# KiCad board SenseBarnacle.kicad_pcb (continued)
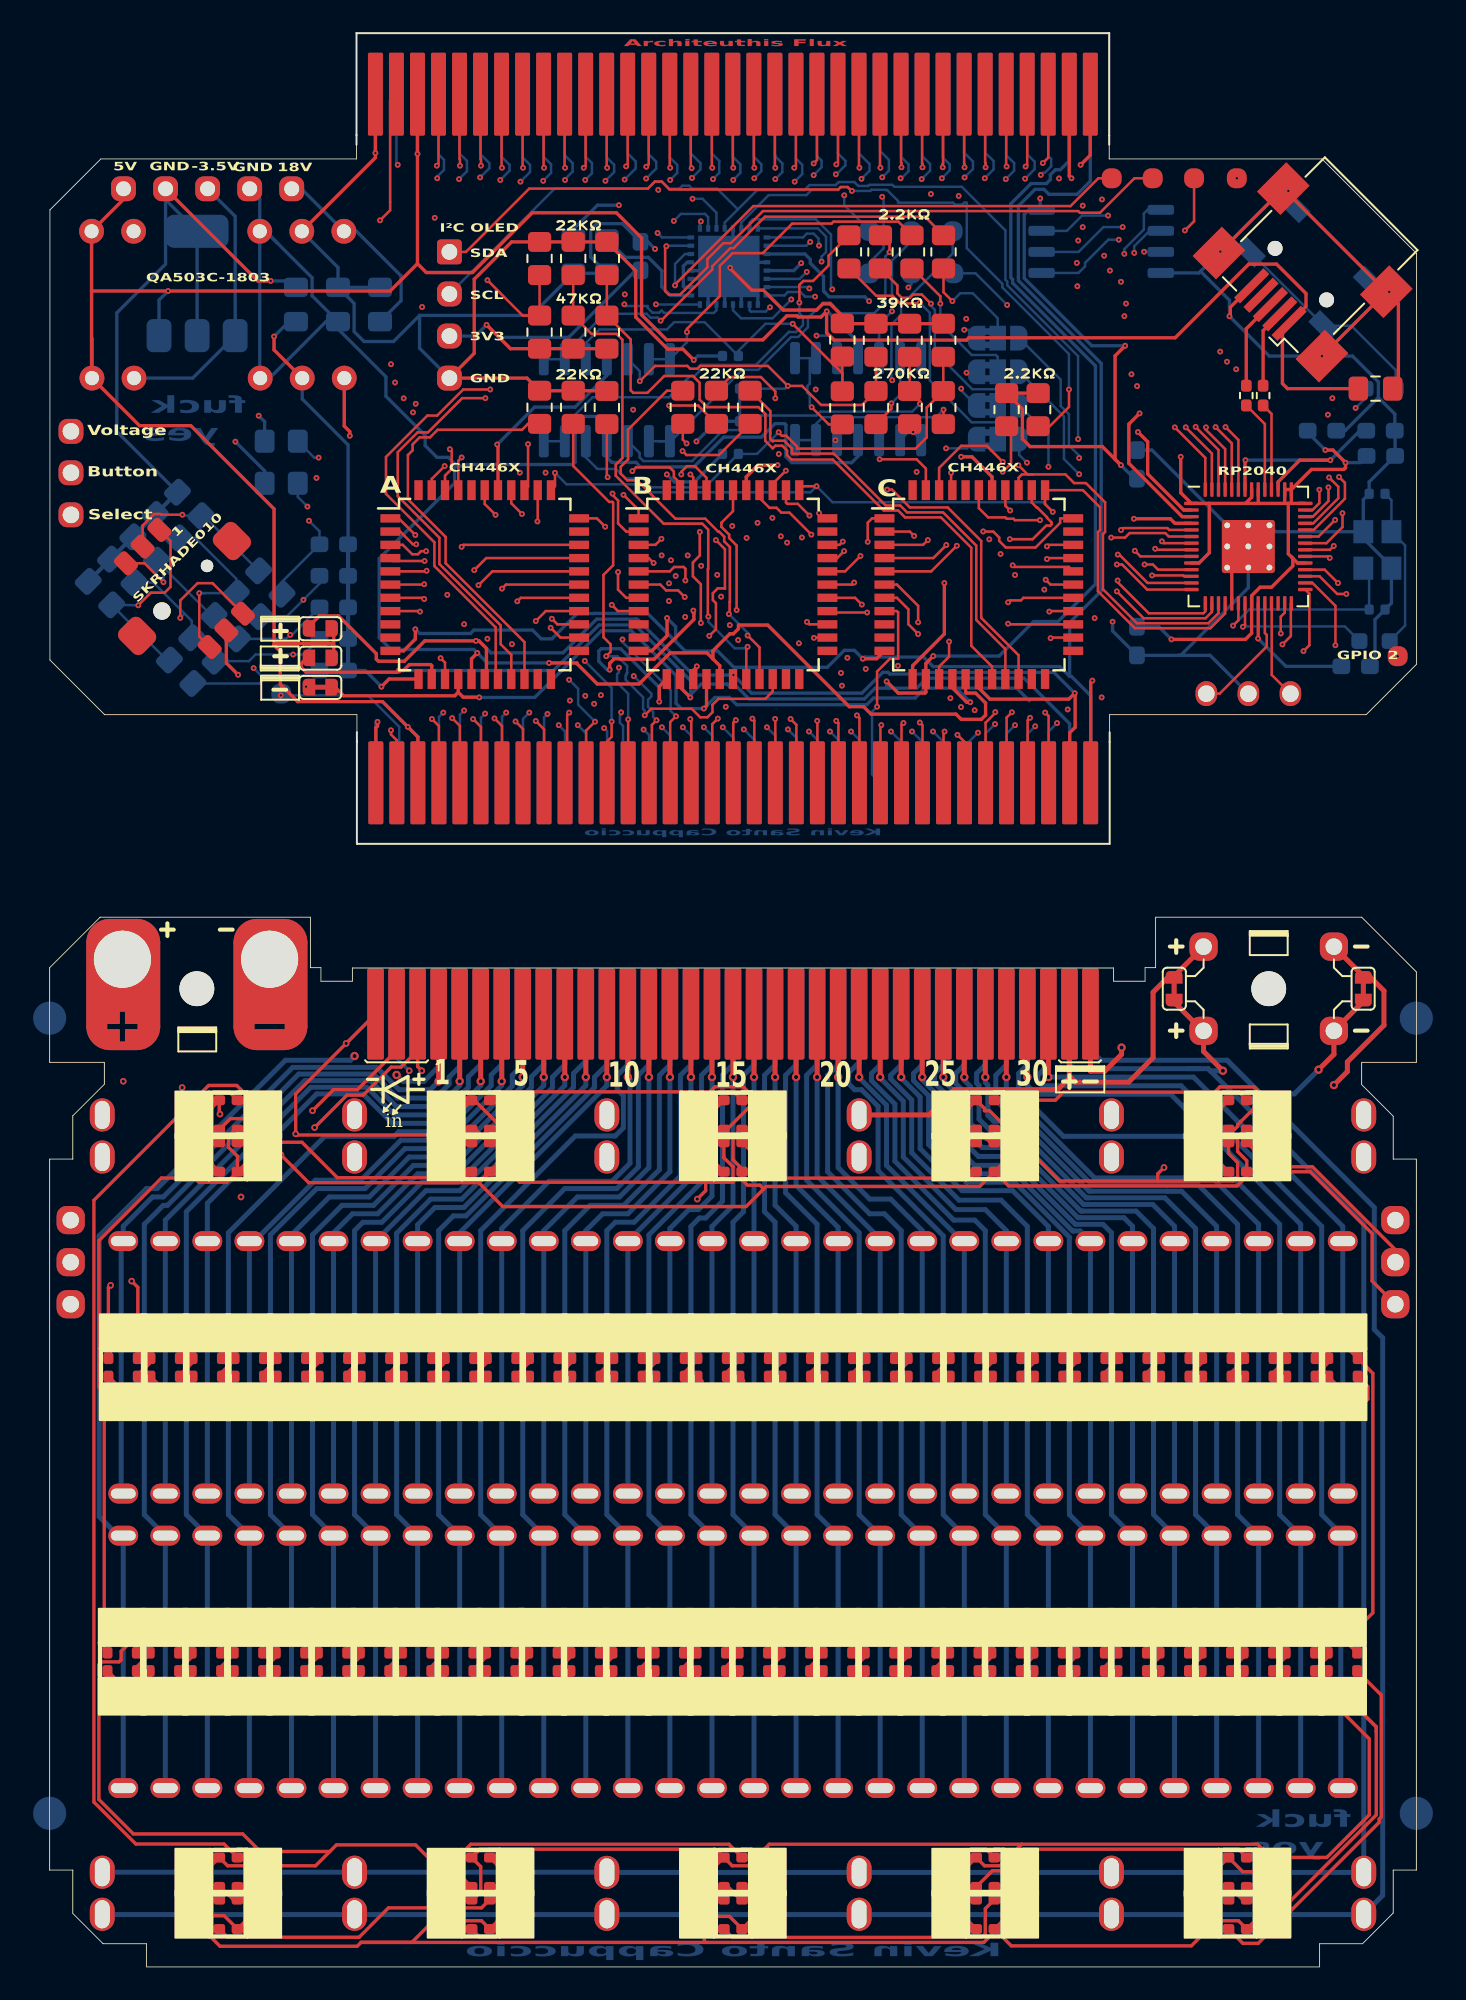
[diagram p0: board, top side]
## Routing (per net, layer and track width the routed paths; a pad name or vN(x,y) marks a point on that pad's centre or on a via; arc(x,y) is an arc through that point) (continued)
GPI0_2: length 26.9
  Top w0.2: v3(65.49,87.43) 67.69,87.43 67.97,87.15 U9.4
  In1.Cu w0.2: v3(81.42,79.13) 81.42,85.58 80.53,86.48 77.83,86.48 76.73,87.58 70.9,87.58 70.78,87.46 65.52,87.46 v3(65.49,87.43)
I2C_SCL: length 93
  Top w0.15: v3(57.57,90.27) 57.58,90.27 58.07,90.76 58.07,92.75 R36.2 ; v3(77.82,83.55) 77.01,84.35 U9.32
  In1.Cu w0.15: v3(57.57,90.27) 57.58,90.27 57.67,90.37 57.77,90.37 58.07,90.66 58.07,90.96 59.34,92.24 v3(62.12,92.24) 71.16,92.24 72.63,93.71 v3(77.21,93.71)
  In2.Cu w0.15: v3(77.82,83.55) 78.86,84.6 78.86,87.08 78.9,87.12 78.9,92.01 v3(77.21,93.71)
  Bottom w0.15: J5.2 30.51,107.36 36.13,107.36 36.55,107.78 36.97,107.78 37.39,107.36 38.04,107.36 38.21,107.54 38.63,107.54 38.8,107.36 40.31,107.36 41.57,106.11 ; 41.57,106.11 40.77,105.31 U6.28 ; 41.57,106.11 42.73,107.27 45.59,107.27 45.89,107.57 47.48,107.57 47.66,107.76 48.61,107.76 48.84,107.52 49.45,107.52 49.51,107.59 50.9,107.59 51.02,107.47 55.09,107.47 57.73,104.84 57.73,101.86 57.84,101.74 57.84,101.53 62.12,97.25 v3(62.12,92.24)
I2C_SDA: length 91.1
  Top w0.15: v3(48.45,107.22) 48.43,107.22 48.2,107.46 47.79,107.46 47.64,107.31 37.44,107.31 36.97,107.78 36.55,107.78 36.13,107.36 28.97,107.36 25.15,103.54 J5.1 ; U9.31 76.7,83.95 77.77,82.89 v3(78.32,82.89) ; R35.2 60.41,93.01 61.57,94.18 v3(61.57,95.23)
  In1.Cu w0.15: v3(77.48,94.71) 62.1,94.71 v3(61.57,95.23)
  In2.Cu w0.15: v3(77.48,94.71) 79.2,92.98 79.2,87 79.16,86.96 79.16,83.73 v3(78.32,82.89)
  Bottom w0.15: v3(61.57,95.23) 61.57,97.37 57.54,101.4 57.54,101.62 55.4,103.77 55.4,106.51 55.24,106.51 55.12,106.39 54.69,106.39 54.57,106.51 51.25,106.51 51.25,106.61 50.59,107.27 50.48,107.27 50.46,107.29 49.64,107.29 49.57,107.22 v3(48.45,107.22) 48.4,107.27 48.38,107.27 48.2,107.46 47.79,107.46 47.6,107.27 46.02,107.27 45.71,106.97 43.43,106.97 41.78,105.31 U6.30
LED_5V: length 701.6
  Top w0.2: D74.4 57.06,2.12 56.43,1.48 39.65,1.48 ; D74.4 57.61,2.84 57.61,4.36 57.15,4.83 D73.4 ; D74.4 58.08,1.27 68.96,1.27 70.48,2.79 71.8,2.79 D71.4 ; 51.97,35.05 51.97,35.5 D20.4 ; 51.97,35.05 49.4,35.05 ; 51.97,35.05 54.48,35.05 ; D27.4 69.67,35.58 69.67,35.05 ; 8.63,35.05 D3.4 ; 8.63,35.05 11.18,35.05 ; 8.63,35.05 8.62,35.05 ; D41.4 28.93,17.84 28.93,17.02 ; D81.4 11.2,50.55 10.8,50.14 10.8,49.49 11.34,48.94 D82.4 ; 46.86,35.05 46.86,35.53 D18.4 ; 46.86,35.05 49.4,35.05 ; 46.86,35.05 44.35,35.05 ; D48.4 46.69,17.86 46.69,17.02 ; 74.78,35.05 76.71,35.05 77.23,35.56 D30.4 78.33,34.54 v2(78.87,34.54) ; 74.78,35.05 72.16,35.05 ; 74.78,35.05 74.78,35.56 D29.4 ; D35.4 13.69,17.83 13.69,17.02 ; D53.4 59.54,17.75 59.54,17.02 ; 11.18,35.05 13.72,35.05 ; 11.18,35.05 11.18,35.64 D4.4 ; 21.39,35.05 21.39,35.59 D8.4 ; 21.39,35.05 23.83,35.05 ; 21.39,35.05 18.85,35.05 ; 76.43,17.02 77.2,17.78 D60.4 ; 76.43,17.02 74.75,17.02 ; 76.43,17.02 77.6,17.02 80.13,14.48 ; 13.72,35.05 13.72,35.64 D5.4 ; 13.72,35.05 16.33,35.05 ; 39.17,17.02 39.17,17.77 D45.4 ; 39.17,17.02 41.66,17.02 ; 39.17,17.02 36.5,17.02 ; C1.1 74.77,95.28 74.46,95.59 74.46,98.74 74.87,99.14 J1.1 75.89,100.25 75.89,101.03 74.11,102.8 72.43,102.8 67.98,98.36 55.52,98.36 55.38,98.21 47.37,98.21 46.93,98.66 46.93,99.94 v3(46.94,99.95) 46.59,99.61 45.21,99.61 45.14,99.68 44.52,99.68 43.08,98.23 37.26,98.23 35.75,99.74 35.75,104.38 34.23,105.9 29.15,105.9 25.54,102.3 22.75,102.3 22.22,102.83 ; JP6.2 17.16,79.79 ; 17.16,79.79 17.06,79.9 13.66,79.9 13.55,79.79 ; 17.16,79.79 JP1.2 ; D55.4 64.5,17.16 64.64,17.02 ; D71.4 72.86,2.84 72.86,4.49 72.52,4.83 D72.4 72.39,4.83 ; D71.4 73.25,2.29 80.13,9.17 80.13,14.2 ; 28.93,17.02 31.42,17.02 ; 28.93,17.02 26.31,17.02 ; D89.4 72.22,50.55 71.75,50.08 71.75,49.23 72.3,48.68 D90.4 ; 29.06,35.05 29.06,35.54 D11.4 ; 29.06,35.05 31.65,35.05 ; 29.06,35.05 26.49,35.05 ; D52.4 56.97,17.77 56.97,17.02 ; 66.95,17.02 66.95,17.78 D56.4 ; 66.95,17.02 64.64,17.02 ; 66.95,17.02 69.77,17.02 ; 72.16,35.05 69.67,35.05 ; 72.16,35.05 72.16,35.64 D28.4 ; 43.13,46.97 42.91,47.19 42.15,47.19 41.83,47.51 D86.4 41.83,48.18 41.27,48.73 41.27,50.08 41.74,50.55 D85.4 ; 43.13,46.97 42.06,45.91 27.36,45.91 25.92,47.34 ; 43.13,46.97 43.28,47.12 56.18,47.12 D87.4 ; 21.31,17.02 21.28,17.05 D38.4 ; 21.31,17.02 18.72,17.02 ; 21.31,17.02 23.77,17.02 ; 34.06,17.02 34.06,17.8 D43.4 ; 34.06,17.02 31.42,17.02 ; 34.06,17.02 36.5,17.02 ; v2(3.43,16.26) 3.58,16.26 4.34,17.02 ; v2(22.48,54.1) 22.23,54.36 J1#2.67 22.23,55.33 21.22,54.32 20.63,54.32 18.94,52.63 17.96,52.63 v2(16,50.67) ; 13.55,79.79 13.93,79.41 13.93,77.44 14.98,76.39 20.11,76.39 v3(21.63,74.86) 22.24,74.25 J7.67 ; 13.55,79.79 13.55,88.02 8.52,93.05 5.43,93.05 U12.1 ; D76.4 41.91,4.83 42.38,4.36 42.38,2.84 D75.4 41.06,3.05 39.83,3.05 39.54,2.76 39.54,1.48 39.65,1.48 ; 18.81,1.48 18.57,1.24 10.29,1.24 9.42,2.11 9.42,3.09 ; 18.81,1.48 21.87,1.48 23.18,2.79 26.09,2.79 D78.4 27.13,2.84 27.13,4.36 26.67,4.83 D77.4 ; 18.81,1.48 39.65,1.48 ; 9.42,3.09 10.54,3.09 D79.4 11.89,2.84 11.89,4.36 11.43,4.83 D80.4 ; 9.42,3.09 8.86,3.66 v2(8.38,3.66) ; 31.42,17.02 31.45,17.05 D42.4 ; 41.66,17.02 44.12,17.02 ; 41.66,17.02 41.61,17.06 D46.4 ; 44.12,17.02 44.12,17.83 D47.4 ; 44.12,17.02 46.69,17.02 ; 22.22,102.83 20.56,101.18 v3(7.15,101.18) 2.53,101.18 ; 22.22,102.83 J6.67 ; 8.53,17.02 11.18,17.02 ; 8.53,17.02 5.84,17.02 ; 8.53,17.02 8.53,17.82 D33.4 ; 11.18,17.02 13.69,17.02 ; 11.18,17.02 11.18,17.81 D34.4 ; 80.13,14.2 80.13,14.48 ; 80.13,14.2 80.13,14.48 ; 49.4,35.05 49.4,35.53 D19.4 ; 18.72,17.02 18.72,17.85 D37.4 ; 18.72,17.02 16.18,17.02 ; 8.62,35.05 6.68,35.05 D2.4 ; 8.62,35.05 4.14,35.05 D1.4 3.55,34.43 v2(3.68,34.29) 2.98,34.99 2.98,43.85 6.75,47.62 8.76,47.62 9.02,47.37 10.71,47.37 D82.4 ; D10.4 26.49,35.56 26.49,35.05 ; 72.26,17.02 74.75,17.02 ; 72.26,17.02 69.77,17.02 ; 72.26,17.02 72.12,17.16 D58.4 ; 74.75,17.02 74.75,17.77 D59.4 ; 34.14,35.05 31.65,35.05 ; 34.14,35.05 34.14,35.55 D13.4 ; 34.14,35.05 36.63,35.05 ; 31.65,35.05 31.65,35.5 D12.4 ; 59.54,17.02 56.97,17.02 ; 59.54,17.02 61.98,17.02 ; D6.4 16.33,35.56 16.33,35.05 ; D36.4 16.2,17.04 16.18,17.02 ; 2.53,101.18 U5.1 4.46,106.71 J3.1 ; 2.53,101.18 2.53,95.95 U12.1 ; 25.92,47.34 D83.4 27.18,48.6 27.18,50.04 26.67,50.55 D84.4 ; 25.92,47.34 15.65,47.34 v2(13.97,49.02) 12.36,49.02 D82.4 ; 5.84,17.02 6.04,17.21 D32.4 ; 5.84,17.02 4.34,17.02 ; D50.4 51.78,17.79 51.79,17.78 51.79,17.02 ; 64.69,35.05 61.98,35.05 ; 64.69,35.05 67.18,35.05 ; 64.69,35.05 64.69,35.48 D25.4 ; 61.98,35.05 61.98,35.63 D24.4 ; 61.98,35.05 59.51,35.05 ; 44.35,35.05 41.91,35.05 ; 44.35,35.05 44.35,35.5 D17.4 ; D21.4 54.48,35.53 54.48,35.05 ; 23.83,35.05 23.83,35.6 D9.4 ; 23.83,35.05 26.49,35.05 ; D87.4 57.92,47.15 71.73,47.15 72.3,47.73 D90.4 ; D87.4 57.61,48.56 57.61,50.08 57.15,50.55 D88.4 ; 59.51,35.05 57.05,35.05 ; 59.51,35.05 59.51,35.58 D23.4 ; 57.05,35.05 54.48,35.05 ; 57.05,35.05 57.05,35.51 D22.4 ; 13.69,17.02 16.18,17.02 ; D44.4 36.5,17.83 36.5,17.02 ; 67.18,35.05 67.18,35.53 D26.4 ; 67.18,35.05 69.67,35.05 ; D54.4 61.98,17.85 61.98,17.02 ; 56.97,17.02 54.36,17.02 ; 23.77,17.02 23.77,17.82 D39.4 ; 23.77,17.02 26.31,17.02 ; TP22.1 79.88,41.4 79.88,44.27 76.15,48.01 D90.4 ; 54.36,17.02 51.79,17.02 ; 54.36,17.02 54.33,17.04 D51.4 ; D49.4 49.23,17.86 49.23,17.02 ; 80.13,14.48 v2(78.68,15.94) ; 49.23,17.02 51.79,17.02 ; 49.23,17.02 46.69,17.02 ; 36.63,35.05 36.63,35.6 D14.4 ; 36.63,35.05 39.4,35.05 ; 69.77,17.02 69.58,17.21 D57.4 ; 41.91,35.05 39.4,35.05 ; 41.91,35.05 41.91,35.4 D16.4 ; 39.4,35.05 39.4,35.37 D15.4 ; 18.85,35.05 18.79,35.1 D7.4 ; 18.85,35.05 16.33,35.05 ; 26.31,17.02 26.36,17.06 D40.4 ; 61.98,17.02 64.64,17.02 ; 4.34,17.02 D31.4 ; U12.1 2.56,98.31
  In1.Cu w0.2: 3.39,15.28 2.79,15.88 2.79,33.4 v2(3.68,34.29) 1.27,36.7 TP21.1 ; 3.39,15.28 5.59,13.07 5.59,6.44 v2(8.38,3.66) ; 3.39,15.28 3.43,15.32 v2(3.43,16.26) ; v2(78.68,15.94) 79.96,17.22 79.96,33.45 v2(78.87,34.54) 78.99,34.54 81.28,36.83 TP22.1 ; v2(13.97,49.02) 14.65,49.02 16,50.37 v2(16,50.67)
  Bottom w0.2: v3(46.94,99.95) 46.98,99.95 48.83,98.1 U1.4 ; U3.3 6.61,100.63 v3(7.15,101.18) ; J6.67 v3(22.22,109.46) ; v3(21.63,74.86) 22.24,74.25 J7.67 ; J1#2.67 22.23,54.36 v2(22.48,54.1)
LED_DATA_IN: length 118.8
  Top w0.15: U9.37 76.64,86.35 v3(77.65,87.36)
  In1.Cu w0.15: v3(16.12,89.89) 23.85,89.89 24.62,90.67 30.76,90.67 31.94,89.49 36.81,89.49 37.37,88.93 41.14,88.93 41.32,88.75 41.88,88.75 42.1,88.53 59.23,88.53 60.42,87.35 60.94,87.35 61.51,87.92 77.08,87.92 v3(77.65,87.36)
  In2.Cu w0.15: v3(13.96,76.77) 13.36,76.77 11.87,78.25 11.87,85.65 v3(16.12,89.89) 16.35,89.89 18.77,92.31 18.77,106.55 v3(21.02,108.8)
  Bottom w0.15: v3(21.02,108.8) 20.95,108.87 J6.69 ; J7.69 21.12,71.63 21.12,74.87 19.22,76.77 v3(13.96,76.77)
LED_GND: length 963.2
  Top w0.2: D60.2 78.43,19.52 ; 78.43,19.52 78.74,19.83 v2(78.74,20.19) 79.92,21.37 79.92,35.83 D30.2 78.41,37.34 ; 78.43,19.52 76.58,19.52 ; 25.63,37.34 23.09,37.34 ; 25.63,37.34 25.63,36.76 D9.2 ; 25.63,37.34 28.19,37.34 ; 23.09,37.34 20.55,37.34 ; 23.09,37.34 23.09,36.76 D8.2 ; 45.97,37.34 45.98,37.34 D17.2 ; 45.97,37.34 48.49,37.34 ; 45.97,37.34 43.38,37.34 ; 45.92,19.52 43.41,19.52 ; 45.92,19.52 48.49,19.52 ; 45.92,19.52 45.93,19.51 D47.2 ; 43.41,19.52 40.97,19.52 ; 43.41,19.52 43.39,19.5 D46.2 ; D74.2 55.88,4.06 55.41,4.53 55.41,6.05 D73.2 56.47,6.1 57.41,6.1 58.71,7.4 ; v3(20.04,77.29) 20.5,77.75 U13.12 ; 53.59,19.52 53.56,19.48 D50.2 ; 53.59,19.52 56.08,19.52 ; 53.59,19.52 51.03,19.52 ; v2(4.95,41.4) 5.33,41.03 D1.2 5.33,36.83 5.84,37.34 7.85,37.34 ; 73.48,6.6 73.48,6.38 72.85,5.74 72.07,5.74 D72.2 70.66,6.05 70.66,4.53 71.12,4.06 D71.2 ; 73.48,6.6 73.48,6.88 72.96,7.4 58.71,7.4 ; 73.48,6.6 77.14,6.6 79.71,9.17 79.71,13.77 77.22,16.26 v2(76.83,16.26) ; 40.97,19.52 40.85,19.4 D45.2 ; 40.97,19.52 38.25,19.52 ; v2(5.33,20.45) 5.33,19.59 5.26,19.52 ; 7.85,19.52 7.82,19.48 D32.2 ; 7.85,19.52 5.77,19.52 ; 7.85,19.52 10.26,19.52 ; v3(19.8,75.17) 19.8,74.91 19.7,74.81 J7.65 ; 5.77,19.52 5.74,19.52 5.27,19.04 D31.2 5.26,18.98 5.26,19.52 ; 5.77,19.52 5.26,19.52 ; 33.17,19.52 30.58,19.52 ; 33.17,19.52 33.23,19.46 D42.2 ; 33.17,19.52 35.71,19.52 ; 30.58,19.52 28.12,19.52 ; 30.58,19.52 30.68,19.41 D41.2 ; v3(71.26,99.65) 71.31,99.7 71.31,100.2 J1.5 ; D51.2 56.08,18.99 56.08,19.52 ; 12.83,19.52 10.26,19.52 ; 12.83,19.52 12.9,19.45 D34.2 ; 12.83,19.52 15.39,19.52 ; 10.26,19.52 10.36,19.42 D33.2 ; 56.16,37.34 56.16,36.76 D21.2 ; 56.16,37.34 53.67,37.34 ; 56.16,37.34 58.67,37.34 ; 53.67,37.34 53.67,36.81 D20.2 ; 53.67,37.34 51.05,37.34 ; D6.2 18.01,36.76 18.01,37.34 ; 5.26,19.52 4.78,19.52 4.32,19.05 4.32,18.54 4.19,18.42 3.15,18.42 2.97,18.24 2.97,10.11 5.05,8.03 11.66,8.03 12.72,6.96 16.92,6.96 ; 33.17,37.34 33.17,36.85 D12.2 ; 33.17,37.34 30.73,37.34 ; 33.17,37.34 35.79,37.34 ; 48.49,37.34 51.05,37.34 ; 48.49,37.34 48.49,36.78 D18.2 ; U15.12 52.12,78.55 54.04,80.47 v3(54.04,83.55) ; JP7.1 15.52,77.26 v3(15.48,77.29) ; 48.49,19.52 51.03,19.52 ; 48.49,19.52 48.47,19.5 D48.2 ; D86.2 40.72,48.85 41.27,48.3 41.27,47.37 39.62,47.37 ; D86.2 40.81,49.78 ; D86.2 40.64,49.78 40.13,50.29 40.13,51.73 D85.2 ; 51.03,19.52 51.01,19.5 D49.2 ; 12.93,37.34 10.41,37.34 ; 12.93,37.34 12.93,36.76 D4.2 ; 12.93,37.34 15.47,37.34 ; 10.41,37.34 7.85,37.34 ; 10.41,37.34 10.41,36.75 D3.2 ; U9.57 71.4,84.2 U9.19 ; 78.41,37.34 76.48,37.34 ; 78.41,37.34 78.87,37.8 v2(78.87,37.85) ; 7.85,37.34 7.87,37.33 D2.2 ; 63.86,19.52 63.74,19.4 D54.2 ; 63.86,19.52 66.22,19.52 ; 63.86,19.52 61.14,19.52 ; 73.94,37.34 71.37,37.34 ; 73.94,37.34 73.93,37.34 D28.2 ; 73.94,37.34 76.48,37.34 ; 71.37,37.34 68.88,37.34 ; 71.37,37.34 71.37,36.76 D27.2 ; 56.08,19.52 58.65,19.52 ; J1.6 81.47,100.41 81.47,95.63 C1.2 ; J1.6 80.74,102.34 ; J1.6 v3(76.85,97.25) ; 61.29,37.34 58.67,37.34 ; 61.29,37.34 63.78,37.34 ; 61.29,37.34 61.29,36.81 D23.2 ; 58.67,37.34 58.67,36.76 D22.2 ; 16.92,6.96 16.06,6.1 10.74,6.1 D80.2 9.69,6.05 9.69,4.53 10.16,4.06 D79.2 ; 16.92,6.96 17.32,7.37 22.1,7.37 25.4,4.06 D78.2 25.57,4.06 26.03,4.53 26.03,6.05 D77.2 25.98,7.1 40.22,7.1 D76.2 ; v2(67.31,48.26) 66.93,47.88 66.93,47.45 ; 76.48,37.34 76.47,37.34 D29.2 ; 28.19,37.34 30.73,37.34 ; 28.19,37.34 28.19,36.75 D10.2 ; v3(41.1,102.58) 41.1,102.53 42.41,101.23 43.11,101.23 44.31,100.03 46.32,100.03 46.69,100.4 47.15,100.4 47.88,99.67 R11.2 48.28,99.22 48.29,99.21 R17.2 ; D37.2 20.52,19.51 20.52,19.52 ; U4.5 10.67,78.72 v3(11.38,78.01) ; 25.63,19.52 25.63,19 D39.2 ; 25.63,19.52 23.11,19.52 ; 25.63,19.52 28.12,19.52 ; J1.6 v3(70.71,103.56) J1.6 80.75,101.13 v3(80.91,101.13) ; U5.4 19.68,109.23 v3(19.68,109.51) J6.65 ; D38.2 23.06,19.46 23.11,19.52 ; D82.2 10.16,49.78 9.7,50.25 9.7,51.77 D81.2 10.24,51.53 v2(10.29,51.49) ; D76.2 41.22,6.1 42.17,6.1 43.47,7.4 58.71,7.4 ; D76.2 40.17,6.05 40.17,4.3 40.41,4.06 D75.2 ; 40.87,37.34 40.87,36.78 D15.2 ; 40.87,37.34 38.38,37.34 ; 40.87,37.34 43.38,37.34 ; 38.25,19.52 35.71,19.52 ; 38.25,19.52 38.31,19.46 D44.2 ; 35.71,19.52 35.77,19.46 D43.2 ; 61.14,19.52 61.2,19.46 D53.2 ; 61.14,19.52 58.65,19.52 ; D58.2 74.09,19.16 74.09,19.52 ; 18.01,37.34 15.47,37.34 ; 18.01,37.34 20.55,37.34 ; 15.47,37.34 15.47,36.76 D5.2 ; 63.78,37.34 63.78,36.76 D24.2 ; 63.78,37.34 66.32,37.34 ; 66.22,19.52 68.91,19.52 ; 66.22,19.52 66.22,19.02 D55.2 ; 30.73,37.34 D11.2 ; 43.38,37.34 43.38,36.8 D16.2 ; 51.05,37.34 51.05,36.75 D19.2 ; 38.38,37.34 35.79,37.34 ; 38.38,37.34 38.38,36.76 D14.2 ; 35.79,37.34 35.79,36.78 D13.2 ; D36.2 17.98,19.51 17.98,19.52 ; D35.2 15.44,19.47 15.39,19.52 ; U12.4 13.55,97.62 v3(13.55,98.43) ; D87.2 55.88,49.78 55.41,50.25 55.41,51.77 D88.2 56.46,51.82 56.46,51.69 56.77,51.69 61.01,47.45 66.93,47.45 ; D56.2 68.82,19.42 68.91,19.52 ; 23.11,19.52 20.52,19.52 ; 68.88,37.34 66.32,37.34 ; 68.88,37.34 68.88,36.78 D26.2 ; 58.65,19.52 58.65,18.97 D52.2 ; 20.55,37.34 20.55,36.76 D7.2 ; 76.58,19.52 74.09,19.52 ; 76.58,19.52 76.44,19.37 D59.2 ; 28.12,19.52 28.14,19.5 D40.2 ; 66.32,37.34 66.32,36.76 D25.2 ; 39.62,47.37 39.62,46.86 v2(39.12,46.35) ; 39.62,47.37 28.4,47.37 27.48,48.29 27.48,50.49 25.65,52.32 D84.2 ; 74.09,19.52 71.32,19.52 ; 71.32,19.52 68.91,19.52 ; 71.32,19.52 71.32,19 D57.2 ; v3(38.9,97.01) 38.24,97.67 37.33,97.67 35.4,99.6 35.4,102.4 R19.2 R21.2 27.9,104.14 25.64,101.89 25.64,97.42 J5.4 28.83,95.92 R25.2 R3.2 33.64,95.16 R26.2 ; J1#2.65 v2(17.91,55.75) 14.86,52.7 v2(14.86,50.29) 14.93,50.22 23.38,50.22 D84.2 ; D83.2 25.4,49.78 24.93,50.25 24.93,51.77 D84.2 ; v3(38.88,81.88) 38.88,81.75 38.91,81.72 38.91,81.35 36.51,78.95 34.46,78.95 34.43,78.98 34.08,78.98 34.07,78.97 34.07,78.94 33.82,78.7 v3(33.82,78.32) ; 66.93,47.45 71.49,47.45 71.75,47.71 71.75,48.56 71.2,49.11 D90.2 71.12,49.78 70.66,50.25 70.66,51.77 D89.2 ; 17.98,19.52 15.39,19.52 ; 17.98,19.52 20.52,19.52 ; U14.12 36.82,77.3 v3(36.82,76.39)
  In1.Cu w0.2: v3(13.55,98.43) 7.61,98.43 U12.2 ; 44.83,47.69 40.46,47.69 v2(39.12,46.35) ; 44.83,47.69 44.66,47.69 ; 44.83,47.69 66.75,47.69 v2(67.31,48.26) 70.54,51.49 74.88,51.49 TP23.1 78.66,42.47 78.66,38.05 v2(78.87,37.85) ; v3(38.88,81.88) 38.88,82.13 38.83,82.18 38.14,82.18 37.85,82.47 37.85,82.85 38.18,83.18 38.46,83.18 38.48,83.16 40.39,83.16 40.41,83.18 45.74,83.18 46.59,84.03 48.82,84.03 49.3,83.55 v3(54.04,83.55) 59.22,83.55 60.09,84.41 60.24,84.26 61.36,84.26 64.2,81.42 v3(64.2,81.21) ; v2(76.83,16.26) 78.74,18.16 v2(78.74,20.19) ; v2(14.86,50.29) 12.83,52.32 11.13,52.32 v2(10.29,51.49) 7.67,51.49 TP20.1 v2(4.95,41.4) ; v2(17.91,55.75) 10.67,55.75 v2(8,53.09) ; v3(41.1,102.58) 40.53,102.01 38.27,102.01 v3(36.57,103.72) ; v3(11.38,78.01) 12.1,77.29 v3(15.48,77.29) v3(20.04,77.29) ; U12.4 16.81,94.37 20.66,94.37 20.86,94.57 20.86,94.92 21.86,95.92 J5.4
  In2.Cu w0.2: v3(20.04,77.29) 20.04,75.41 v3(19.8,75.17) ; U5.4 15.26,104.76 U12.4 ; v2(4.45,53.47) 7.62,53.47 v2(8,53.09) ; 39.06,92.03 39.06,91.63 38.06,90.63 37.7,90.63 37.28,90.2 v3(37.28,90.1) 37.28,87.54 39.88,84.94 39.88,84.37 39.77,84.26 39.77,82.43 39.61,82.28 39.42,82.28 39.42,82.23 39.06,81.87 38.89,81.87 v3(38.88,81.88) ; 39.06,92.03 39.06,92.21 38.9,92.37 v3(38.9,97.01) ; 39.06,92.03 39.06,92.08 v3(39.07,92.1) ; U5.2 5.07,95.95 U12.2 ; v2(4.95,41.4) 5.55,40.81 5.55,20.66 v2(5.33,20.45)
  Bottom w0.2: v3(41.1,102.58) 40.43,101.91 U6.19 ; v3(41.1,102.58) 39.77,101.26 U6.15 ; v3(41.1,102.58) 40.95,102.58 40.77,102.41 ; v3(41.1,102.58) 41.27,102.76 U6.29 ; v3(41.1,102.58) 42.77,100.91 U6.9 ; v3(41.1,102.58) 41.43,102.91 U6.4 ; v3(41.1,102.58) 41.78,101.91 U6.11 ; Y1.2 74.06,86.64 U9.57 ; Y1.2 79.35,88.58 C7.2 79.7,89.65 C10.2 81.27,92.72 C3.2 81.25,93.75 80.25,94.75 ; Y1.2 79.35,86.24 81.05,84.54 Y1.4 81.05,82.33 C6.2 80.05,81.34 80.05,78.83 C4.2 ; J5.4 22.34,97.72 22.34,99.7 ; 22.34,99.7 29.1,99.7 C21.1 C22.1 32.68,103.22 32.68,104.87 33.05,105.24 34.59,105.24 C5.2 36.14,104.15 v3(36.57,103.72) ; 22.34,99.7 20.77,98.13 18.99,98.13 18.39,98.73 18.39,100.43 C13.1 ; v3(38.9,97.01) 39.15,97.25 C14.2 ; 68.21,79.18 68.32,79.18 72.4,83.27 U9.57 ; 68.21,79.18 70.09,79.18 J2.2 ; 68.21,79.18 C11.2 64.2,80.66 v3(64.2,81.21) ; U6.13 40.77,102.41 ; 40.77,102.41 U6.20 ; C17.2 38.95,89.65 37.73,89.65 v3(37.28,90.1) ; C8.2 C13.1 ; C13.1 17.41,102.6 U5.4 ; U9.57 66.58,91.58 C12.2 ; J6.65 v3(19.68,109.51) ; 80.25,94.75 80.25,95.69 78.7,97.25 v3(76.85,97.25) 73.67,97.25 v3(71.26,99.65) 71.26,100.62 69.52,102.36 ; 80.25,94.75 78.25,92.74 C9.2 ; v3(13.55,98.43) 14.45,99.33 C2.2 ; v3(19.8,75.17) 19.7,75.07 J7.65 ; v3(70.71,103.56) 69.52,102.36 ; 69.52,102.36 69.42,102.27 U8.4 ; J1#2.65 v2(17.91,55.75) ; U12.2 8.64,95.92 U3.1 11.21,105.68 J3.3 ; v3(74.82,107.22) 75.21,106.84 SW1.1 ; v3(20.04,77.29) 19.06,78.27 C18.2 ; v3(80.91,101.13) 80.3,101.13 SW1.1 ; U12.4 15.26,94.66 18.02,91.89 C19.2 ; v3(36.82,76.39) 36.82,77.25 34.49,79.58 33.31,79.58 33.17,79.44 33.17,78.82 33.67,78.32 v3(33.82,78.32) ; C15.2 C16.2 40.29,93.31 v3(39.07,92.1)
  Bottom w0.25: C19.2 C18.2
LED_OUT: length 146.1
  Top w0.15: J7.66 20.97,74.05 20.62,74.41 v3(20.62,74.66) ; v3(19.95,105.44) 20.56,106.05 20.56,112.68 J6.66
  Top w0.2: D90.1 73.78,48.31 76.27,48.31 81.28,43.3 TP15.1
  In1.Cu w0.2: v2(21.72,54.1) 21.72,53.14 18.81,50.23 17.09,50.23 13.34,46.48 v2(11.56,46.48)
  In2.Cu w0.15: v3(20.62,74.66) 20.62,91.43 22.62,93.43 22.62,94.66 21.89,95.38 21.89,99.68 19.95,101.62 v3(19.95,105.44)
  In2.Cu w0.2: TP15.1 81.28,43.18 77.66,46.8 11.88,46.8 v2(11.56,46.48)
  Bottom w0.2: J1#2.66 20.95,54.86 v2(21.72,54.1)
LRCK: length 43.4
  Top w0.15: v3(66.59,84.01) 68.47,84.01 68.53,83.95 U9.12
  In1.Cu w0.15: v3(64.71,101.74) 64.53,101.91 52.48,101.91 52.2,102.19 51.54,102.19 51.44,102.09 45.97,102.09 v3(45.73,102.33)
  In2.Cu w0.15: v3(64.71,101.74) 66.96,99.49 66.96,93.44 66.84,93.32 66.84,92.4 66.96,92.28 66.96,87.31 66.35,86.7 66.35,85.33 66.59,85.09 v3(66.59,84.01)
  Bottom w0.15: v3(45.73,102.33) 45.31,101.91 U6.6
MCK: length 42.4
  Top w0.15: v3(65.54,85.5) 65.89,85.15 U9.9
  In1.Cu w0.15: v3(64.92,99.66) 56.37,99.66 55.7,100.33 55.02,100.33 54.52,99.82 52.31,99.82 51.17,100.96 50.51,100.96 50.02,100.47 50.02,100.19 49.73,99.9 47.73,99.9 47.15,100.48 46.59,100.48 v3(46.23,100.84)
  In2.Cu w0.15: v3(64.92,99.66) 66.36,98.22 66.36,93.69 66.24,93.56 66.24,92.16 66.25,92.15 66.25,87.44 65.54,86.74 v3(65.54,85.5)
  Bottom w0.15: v3(46.23,100.84) 45.63,100.84 45.59,100.88 45.59,100.88 45.35,101.12 44.59,101.12 44.38,100.91 U6.8
PDN: length 51.9
  Top w0.15: U9.8 66.84,85.55 v3(66.78,85.62)
  In1.Cu w0.15: v3(64.04,102.41) 52.41,102.41 52.33,102.49 51.42,102.49 51.34,102.42 46.48,102.42 45.92,102.98 45.92,103.08 45.61,103.39 41.96,103.39 41.51,103.84 39.27,103.84 v3(37.7,105.41)
  In2.Cu w0.15: v3(66.78,85.62) 66.66,85.73 66.66,86.59 67.26,87.18 67.26,92.41 67.14,92.53 67.14,93.19 67.26,93.31 67.26,99.95 64.79,102.41 v3(64.04,102.41)
  Bottom w0.15: v3(37.7,105.41) 38.12,105.83 39.58,105.83 39.77,105.64 U6.26